# Altium PCB Discharge_B5.PcbDoc (part 1 of 2) (continued)
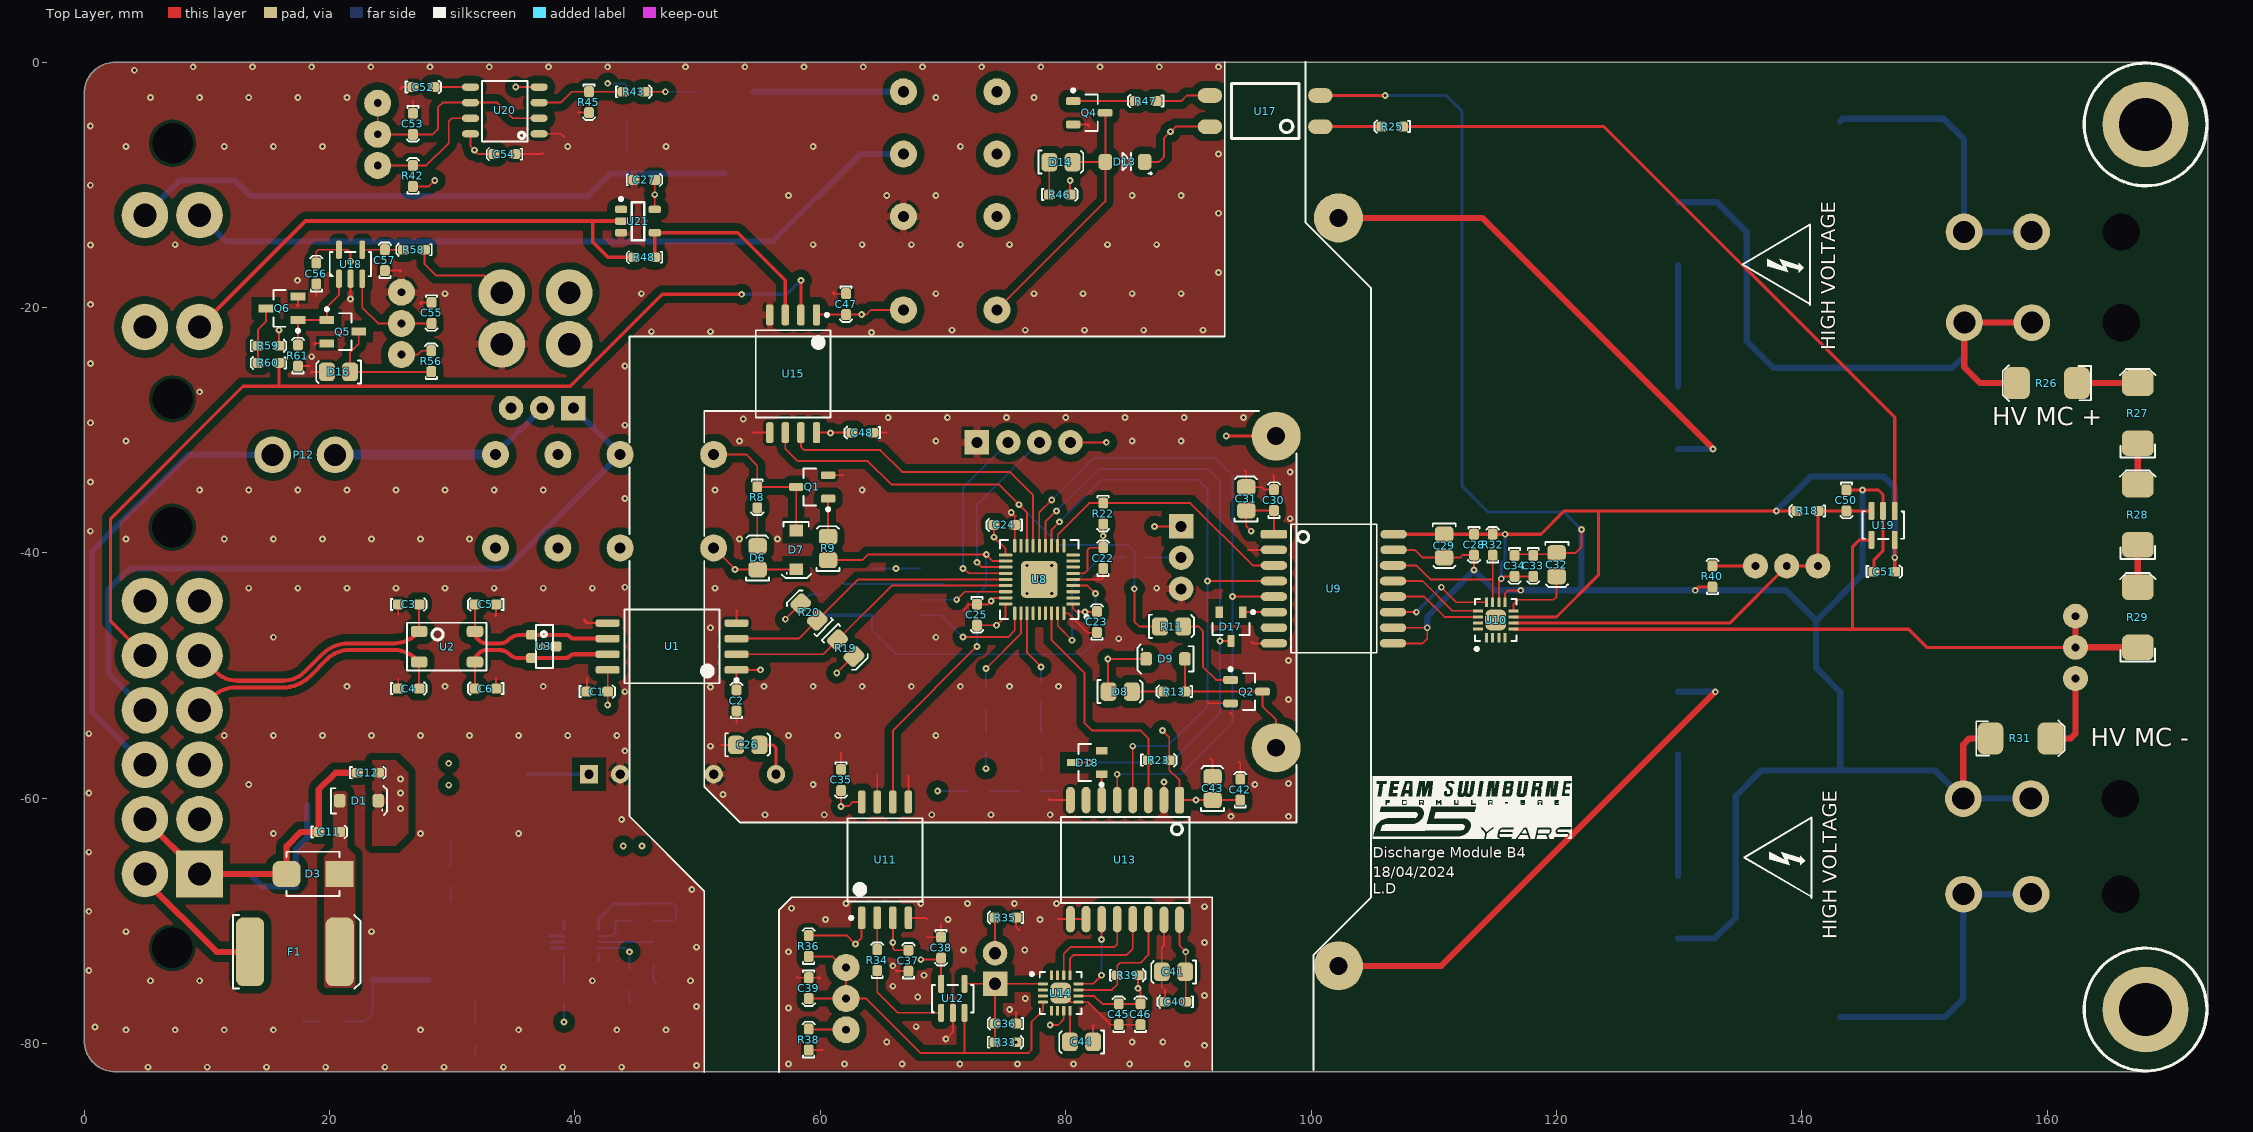
[diagram p0: Top Layer view]
## Components (designator, comment, footprint, x,y, rotation, side; value= is the part's Value field where it differs from the comment) (continued)
CS "39293046" 39293046 34.036,-18.796 r90 bottom (schematic designator P13)
D1 "PMEG100T10ELR-QX" SODFL350X110-2N#1 22.403,-60.198 r180 top
D2 "Red" "0805 LED" 31.851,-75.448 r270 bottom
D3 "SM6T39CAY" SM6T39CAY-Footprint-1 18.663,-66.167 r0 top
D4 "Red" "0805 LED" 29.845,-62.456 r270 bottom
D5 "Red" "0805 LED" 72.898,-59.436 r0 bottom
D6 "Green" "0805 LED" 54.864,-40.386 r90 top
D7 "PMEG100T10ELR-QX" SODFL350X110-2N#2 58.039,-39.751 r90 top
D8 "Green" "0805 LED" 84.455,-51.282 r0 top
D9 "PMEG100T10ELR-QX" SODFL350X110-2N#1 88.138,-48.641 r0 top
D10 "Yellow" "0805 LED" 73.533,-51.895 r90 bottom
D11 "Yellow" "0805 LED" 77.983,-55.626 r270 bottom
D12 "Red" "0805 LED" 44.17,-3.756 r270 bottom
D13 "PMEG100T10ELR-QX" "NXP SOD123W" 84.836,-8.128 r180 top
D14 "Orange" "0805 LED" 79.629,-8.128 r0 top
D16 "Green" "0805 LED" 20.72,-25.273 r180 top
D17 "BAS-21" NEXPERIA_SOT23 93.472,-46.006 r270 top
D18 "BAS-21" NEXPERIA_SOT23 81.756,-57.089 r180 top
F1 "0ZCF0100AF2A" 2920 13.528,-72.517 r0 top
K1 "V23105A5475A201" "TI 2-DIL" 42.418,-35.787 r180 bottom
K2 "V23105A5475A201" "TI 2-DIL" 70.585,-11.303 r90 bottom
L1 "12uH" 1812 28.067,-73.003 r270 bottom
L2 "4.7uH" SRN3015TA-4R7M 45.72,-67.055 r270 bottom
L3 "12uH" 1812 34.29,-58.039 r180 bottom
P1 "DTF13-12P" DTF13-12P 4.953,-55.053 r90 bottom
P2 "1.27mm" 3221-10-0300-00 66.167,-42.545 r90 bottom
P3 "39300020" 39300020 158.725,-13.843 r270 bottom
P4 "39300020" 39300020 158.687,-67.818 r270 bottom
P5 "39300020" 39300020 158.75,-21.226 r270 bottom
P6 "39300020" 39300020 158.662,-60.022 r270 bottom
P7 "2.54mm" "TH 2.54mm Header 1x3" 39.878,-28.194 r180 bottom
P9 "2.54mm" "TH 2.54mm Header 1x4" 72.771,-30.988 r0 bottom
P10 "2.54mm" "TH 2.54mm Header 1x3" 89.408,-37.846 r270 bottom
P11 "B2B-XH-A(LF)(SN)" "XH 2 PIN VERT" 74.119,-73.872 r90 bottom
P12 "39293026" 39293026 17.907,-32.004 r90 top
Q1 "SQ2308CES-T1_GE3" "VSHY SOT-23-3"#1 59.339,-34.622 r180 top
Q2 "SQ2308CES-T1_GE3" "VSHY SOT-23-3"#1 94.742,-51.308 r0 top
Q3 "STD70N10F4" "STM TO-252 MOSFET" 52.261,-9.413 r180 bottom
Q4 "SQ2308CES-T1_GE3" "VSHY SOT-23-3"#1 81.915,-4.125 r0 top
Q5 "SQ2308CES-T1_GE3" "VSHY SOT-23-3"#2 21.082,-21.966 r0 top
Q6 "SQ2308CES-T1_GE3" "VSHY SOT-23-3"#2 16.129,-20.066 r180 top
R1 "15k" TE_SMF7 143.129,-14.859 r270 bottom
R2 "15k" TE_SMF7 143.129,-67.786 r90 bottom
R3 "20K" 0603 31.877,-80.137 r90 bottom
R4 "100k" 0603 39.116,-76.708 r90 bottom value=10k
R5 "2K" 0603 29.871,-67.232 r90 bottom
R6 "10K (Var)" "B 3296"#1 162.865,-47.613 r90 bottom
R7 "1k" 0603 77.978,-59.41 r180 bottom
R8 "1k" 0603 54.864,-34.622 r270 top
R9 "100R" 0805 60.613,-39.624 r90 top
R10 "PWR263S-35-1001J" "B TO-263" 119.718,-13.974 r270 bottom value=1k
R11 "100R" 0805 88.646,-45.974 r0 top
R12 "PWR263S-35-1001J" "B TO-263" 119.718,-28.974 r270 bottom value=1k
R13 "1k" 0603 89.713,-51.308 r180 top
R14 "PWR263S-35-1001J" "B TO-263" 119.718,-53.873 r270 bottom value=1k
R15 "PWR263S-35-1001J" "B TO-263" 119.718,-68.873 r270 bottom value=1k
R16 "500R" 0603 73.507,-54.61 r270 bottom
R17 "500R" 0603 77.994,-52.197 r90 bottom
R18 "10k" 0603 141.31,-36.576 r180 top
R19 "5.1k" 0805 62.103,-47.752 r315 top
R20 "5.1k" 0805 59.055,-44.831 r135 top
R21 "10k" 0603 60.198,-45.085 r90 bottom
R22 "1.2k" 0603 83.058,-35.941 r270 top
R23 "1.2k" 0603 86.741,-56.896 r0 top
R24 "10k" 0603 86.425,-40.386 r180 bottom
R25 "1k" 0603 107.466,-5.258 r180 top
R26 "330K" "VB 0207" 160.183,-26.162 r180 top
R27 "330K" "VB 0207" 167.386,-28.812 r90 top
R28 "330K" "VB 0207" 167.386,-37.084 r90 top
R29 "330K" "VB 0207" 167.386,-45.449 r90 top
R30 "10K (Var)" "B 3296"#1 138.684,-40.513 r180 bottom
R31 "3.3K" "VB 0207" 157.624,-55.118 r0 top
R32 "1.2k" 0603 114.808,-40.181 r90 top
R33 "2K" 0603 74.246,-79.883 r0 top
R34 "1k" 0603 64.643,-74.041 r90 top
R35 "10k" 0603 75.946,-69.723 r180 top
R36 "10k" 0603 59.055,-72.898 r90 top
R37 "10K (Var)" "B 3296"#2 61.544,-76.413 r270 bottom
R38 "10k" 0603 59.055,-80.518 r90 top
R39 "1.2k" 0603 84.201,-74.422 r0 top
R40 "10k" 0603 132.715,-42.772 r90 top
R41 "1k" 0603 44.196,-9.017 r90 bottom
R42 "5.1k" 0603 26.797,-10.123 r90 top
R43 "10R" 0603 43.942,-2.413 r0 top
R44 "10K (Var)" "B 3296"#2 23.368,-5.969 r270 bottom
R45 "20K" 0603 41.148,-2.413 r270 top
R46 "1k" 0603 78.667,-10.795 r0 top
R47 "10R" 0603 87.376,-3.175 r180 top
R48 "10R" 0603 46.511,-15.9 r180 top
R56 "2K" 0603 28.296,-25.222 r90 top
R57 "10K (Var)" "B 3296"#2 26.416,-21.209 r90 bottom
R58 "10k" 0603 27.735,-15.291 r180 top
R59 "1k" 0603 14.175,-23.114 r0 top
R60 "1k" 0603 15.875,-24.511 r180 top
R61 "20K" 0603 17.429,-24.765 r90 top
U1 "ISO1042" TI-SOIC-8 47.922,-47.625 r180 top
U2 "B82787C0104H002" "TDK 4-PC Pad" 27.305,-46.395 r0 top value="100µH @ 100kHz"
U3 "NUP2105L" "ON SOT-23" 37.465,-47.625 r270 top
U4 "744272121" "Wurth 4-PC Pad" 17.275,-74.803 r90 bottom value="120uH @ 100kHz"
U5 "LM536015QDSXRQ1" TI_10_WSON 40.513,-71.711 r180 bottom
U6 "RK-053.3S/H6" RK-053.3S/H6 41.148,-58.039 r0 bottom
U7 "3350-4275-056" "CI SPST" 97.155,-43.18 r90 bottom
U8 "STM32F103T8U6" STM_QFN-36 77.851,-42.164 r180 top
U9 "ADUM5401" "AD 16-SOIC" 101.854,-44.196 r270 top
U10 "ADS7028" WFQN-16#1 115.058,-45.47 r90 top
U11 "ADuM210N" SOIC-8W 65.278,-65.024 r90 top
U12 "TS391ILT" "ON SOT-23-5" 69.23,-78.459 r0 top
U13 "ADUM5401" "AD 16-SOIC" 83.566,-65.024 r180 top
U14 "ADS7028" WFQN-16#2 79.592,-75.872 r0 top
U15 "ADuM225N" AD-SOIC-8W 57.785,-25.4 r270 top
U16 "DTF13-4P" DTF13-4P 4.953,-17.03 r90 bottom
U17 "LTV-817S-TA1" "ON 4-SMD" 96.012,-3.988 r180 top
U18 "TLV7031-Q1" "TI SOT-23-5" 20.767,-17.653 r0 top
U19 "TS391ILT" "ON SOT-23-5" 148.199,-35.601 r180 top
U20 "NE555DR" "TI 8-SOIC" 27.407,-3.302 r180 top
U21 "SN74AHC1G14" SOT23-5_TI 45.136,-12.954 r0 top

## Footprints (in the part's own frame and the unit in brackets; to place one, negate y for a bottom-side part, rotate by r counter-clockwise, add the part's x,y. Pads: shape width x height; smd on the part's side, far side on the other; paste and mask are expansions set on the pad)
0603 [mm]
  rrect50% 0.9x0.8 smd: 1(0,0) 2(1.7,0)
  silkscreen extent -0.6,-0.5 2.3,0.5, body extent 0.05,-0.42 1.65,0.43, height 0.6
0805 [mm]
  rrect50% 1.3x1.5 smd: 1(-0.962,-0.026) 2(0.938,-0.026)
  silkscreen extent -1.85,-0.95 1.8,0.93, body extent -1,-0.65 1,0.66, height 0.73
"0805 LED" [mm]
  rrect50% 1.3x1.5 smd: A(-0.962,-0.026) K(0.938,-0.026)
  silkscreen extent -1.85,-0.95 1.8,0.93, body extent -1.09,-0.63 0.91,0.63, height 1
"1206 CAP" [mm]
  rrect50% 1.8x1.8 smd: 1(-2.81,0) 2(0.44,0)
  silkscreen extent -3.99,-1.09 1.62,1.09, body extent -2.75,-0.79 0.45,0.81, height 1.61
1812 [mm]
  rrect50% 2.2x3.5 smd: 1(-1.8,0) 2(1.8,0)
  silkscreen extent -3.25,-1.75 3.25,1.75, body extent -2.25,-1.6 2.25,1.6, height 2.5
2920 [mm]
  rrect50% 2.3x5.6 smd: 1(0,0) 2(7.3,0)
  silkscreen extent -1.4,-3 9,3, body extent -0.34,-2.81 7.64,2.81, height 1.14
3221-10-0300-00 [mm]
  rrect25% 0.76x2.4 smd: 1(-2.54,-1.95) 2(-2.54,1.95) 3(-1.27,-1.95) 4(-1.27,1.95) 5(0,-1.95) 6(0,1.95) 7(1.27,-1.95) 8(1.27,1.95) 9(2.54,-1.95) 10(2.54,1.95)
  silkscreen extent -6.35,-3.6 6.35,2.55, body extent -6.34,-2.8 6.36,2.8, height 5.25
39293026 [mm]
  round 3 hole 1.8: 1(0,2.54) 2(0,-2.54)
  body extent -3,-5.9 3.2,5.1, height 12.8
39293046 [mm]
  round 3 / inner round 3 / far side round 3.8 hole 1.85: 1(0,0) 2(0,5.5) 3(-4.2,0) 4(-4.2,5.5)
  body extent -7.3,-2.1 3.1,8.9, height 3.5
39300020 [mm]
  round 3 hole 1.8: 1(0,0) 2(0,5.5)
  round 1.524 hole 3.05: ""(0,-7.3)
  body extent -2.7,-13.97 3.1,5.97, height 11.4
"AD 16-SOIC" [mil]
  rrect50% 28x85 smd: 1(-225,-192.02)
  oval 28x85 smd: 2(-175,-192.02) 3(-125,-192.02) 4(-75,-192.02) 5(-25,-192.02) 6(25,-192.02) 7(75,-192.02) 8(125,-192.02) 9(125,190) 10(75,189.96) 11(25,189.96) 12(-25,189.96) 13(-75,189.96) 14(-125,189.96) 15(-175,191.98) 16(-225,191.98)
  silkscreen extent -257,-138 155,138, body extent -256,-209 156,209, height 104
AD-SOIC-8W [mm]
  rrect50% 1.7x0.6 smd: 1(-4.8,1.905) 2(-4.8,0.635) 3(-4.8,-0.635) 4(-4.8,-1.905) 5(4.8,-1.905) 6(4.8,-0.635) 7(4.8,0.635) 8(4.8,1.905)
  silkscreen extent -4.92,-3.05 3.55,3.05, body extent -5.16,-3.05 5.16,3.05, height 2.65
"B 3296"#1 [mil]
  round 80 hole 25.2: 1(-103.39,-22) 2(-3.39,-22) 3(96.61,-22)
  silkscreen extent -193,-97 187,143, body extent -191,-97 184,143, height 455
"B 3296"#2 [mil]
  round 80 / inner round 80 / far side round 86.61 hole 25.2: 1(-103.39,-22) 2(-3.39,-22) 3(96.61,-22)
  silkscreen extent -193,-97 187,143, body extent -191,-97 184,143, height 455
"B TO-263" [mm]
  rrect50% 2x3.8 smd: 1(-2.55,-10.2) 2(2.55,-10.2)
  rrect50% 12.7x11.4 smd: ""(0,0)
  silkscreen extent -6.8,-10.56 6.75,6.1, body extent -5.19,-11.02 5.45,4.83, height 4.8
"CHEMI-CON ELCO" [mm]
  rrect50% 3.55x1.85 smd: 1(-2.65,0) 2(2.65,0)
  silkscreen extent -4.43,-3.3 3.3,3.3, body extent -3.7,-3.4 3.7,3.4, height 6.1
"CI SPST" [mm]
  round 3.5 / inner round 3.5 / far side round 4 hole 1.45: 1(30.48,5.08) 2(12.7,0) 3(-12.7,0) 4(-30.48,5.08)
  silkscreen extent -38.73,-8.26 38.73,13.97, body extent -38.1,-4.45 38.1,13.34, height 20.57
DTF13-4P [mm]
  round 3 hole 3.3 unplated: 0(-10.415,2.25) 0(10.415,2.25)
  round 3 / inner round 3 / far side round 3.8 hole 1.9: 1(-4.56,4.45) 2(-4.56,0) 3(4.56,4.45) 4(4.56,0)
  silkscreen extent -5,-4.45 5,-4.45, body extent -13.68,-25.73 13.5,7.73, height 23.65
DTF13-12P [mm]
  round 3 hole 3.3 unplated: 0(-17.145,2.22) 0(17.145,2.22)
  rect 3x3 / inner rect 3x3 / far side rect 3.8x3.8 hole 1.9: 1(-11.114,4.45)
  round 3 / inner round 3 / far side round 3.8 hole 1.9: 2(-6.664,4.45) 3(-2.214,4.45) 4(2.236,4.45) 5(6.686,4.45) 6(11.136,4.45) 7(11.136,0) 8(6.686,0) 9(2.236,0) 10(-2.214,0) 11(-6.664,0) 12(-11.114,0)
  silkscreen extent -15.56,-4.45 15.59,-4.45, body extent -20.79,-27.74 20.79,6.55, height 23.13
NEXPERIA_SOT23 [mm]
  rect 0.95x0.6 smd: 2(-1.175,-0.95) A(-1.175,0.95) K(1.175,0)
  silkscreen extent -1.3,-1.5 0.7,1.93, body extent -1.33,-1.5 1.33,1.5, height 1.1
"NXP SOD123W" [mm]
  rrect50% 1.1x1.3 smd: A(1.6,0) K(-1.6,0)
  silkscreen extent -2.2,-0.73 0.2,1.04, body extent -1.75,-0.95 1.75,0.95, height 1.1
"ON 4-SMD" [mm] "SOP, 4-Leads, Body 3.85x4.4mm, Pitch 2.54mm, IPC Medium Density"
  oval 2x1.2 smd: 1(-4.75,1.27) 2(-4.75,-1.27) 3(4.25,-1.27) 4(4.25,1.27)
  silkscreen extent -3,-2.25 2.5,2.25, body extent -5.33,-2.3 4.83,2.3, height 4.6
"ON SOT-23" [mm] "NUP2105L"
  rrect50% 0.8x0.9 smd: 1(-0.95,-1) 2(0.95,-1) 3(0,1)
  silkscreen extent -1.75,-0.65 1.75,0.75, body extent -1.5,-1.27 1.5,1.28, height 1
"ON SOT-23-5" [mil]
  rrect50% 19x58 smd: 1(24.61,38.39) 2(62.01,38.39) 3(99.41,38.39) 4(99.41,131.39) 5(24.61,131.39)
  silkscreen extent -5,39 128,128, body extent 2,27 122,145, height 57
RK-053.3S/H6 [mm]
  rect 1.303x1.303 / inner rect 1.303x1.303 / far side rect 1.5x1.5 hole 0.76: 1(0,0)
  round 1.303 / inner round 1.303 / far side round 1.5 hole 0.76: 2(2.54,0) 5(10.16,0) 7(15.24,0)
  silkscreen extent -2,-5.78 17.65,1.8, body extent -1.99,-5.79 17.65,1.26, height 10.2
SM6T39CAY-Footprint-1 [mm]
  rect 2.28x2.12 smd: A(2.165,0)
  rrect50% 2.28x2.12 smd: K(-2.165,0)
  silkscreen extent -2.16,-1.81 2.16,1.81, body extent -2.79,-1.98 2.79,1.98, height 2.64
SODFL350X110-2N#1 [mm] "SODFL, 2-Leads, Body 1.70x3.50mm, IPC Medium Density"
  rrect50% 0.95x1.1 smd: A(1.575,0) K(-1.575,0)
  silkscreen extent -2.29,-1.19 2.28,1.18, body extent -1.75,-0.95 1.75,0.95, height 1.1
SODFL350X110-2N#2 [mm] "SODFL, 2-Leads, Body 1.70x3.50mm, IPC Medium Density"
  rect 0.95x1.1 smd: A(1.575,0) K(-1.575,0)
  silkscreen extent -2.29,-1.19 2.28,1.18, body extent -1.75,-0.95 1.75,0.95, height 1.1
SOIC-8W [mm]
  rrect50% 1.85x0.6 smd: 1(-4.725,1.905) 2(-4.725,0.635) 3(-4.725,-0.635) 4(-4.725,-1.905) 5(4.725,-1.905) 6(4.725,-0.635) 7(4.725,0.635) 8(4.725,1.905)
  silkscreen extent -4.85,-3.05 3.4,3.05, body extent -5.16,-3.05 5.16,3.05, height 2.65
SOT23-5_TI [mm]
  rrect50% 1x0.6 smd: 1(-1.375,0.95) 2(-1.375,0) 3(-1.375,-0.95) 4(1.375,-0.95) 5(1.375,0.95)
  silkscreen extent -1.5,-1.55 0.5,1.92, body extent -1.5,-1.53 1.5,1.53, height 1.45
SRN3015TA-4R7M [mm]
  rrect25% 1.5x3.6 smd: 1(-1.525,0) 2(1.525,0)
  silkscreen extent -2.1,-0.05 -2,0.05, body extent -1.46,-1.47 1.61,1.47, height 1.4
"STM TO-252 MOSFET" [mm]
  rrect50% 6.7x6.7 smd: D(0.05,0.35)
  oval 1.6x3 smd: G(2.35,7) S(-2.25,7)
  silkscreen extent -3.75,-3.4 3.75,4.5, body extent -3.33,-2.67 3.39,7.75, height 2.39
STM_QFN-36 [mm]
  rrect50% 1.1x0.25 smd: 1(-2.75,2) 2(-2.75,1.5) 3(-2.75,1) 4(-2.75,0.5) 5(-2.75,0) 6(-2.75,-0.5) 7(-2.75,-1) 8(-2.75,-1.5) 9(-2.75,-2) 19(2.75,-2) 20(2.75,-1.5) 21(2.75,-1) 22(2.75,-0.5) 23(2.75,0) 24(2.75,0.5) 25(2.75,1) 26(2.75,1.5) 27(2.75,2)
  rrect50% 0.25x1.1 smd: 10(-2,-2.75) 11(-1.5,-2.75) 12(-1,-2.75) 13(-0.5,-2.75) 14(0,-2.75) 15(0.5,-2.75) 16(1,-2.75) 17(1.5,-2.75) 18(2,-2.75) 28(2,2.75) 29(1.5,2.75) 30(1,2.75) 31(0.5,2.75) 32(0,2.75) 33(-0.5,2.75) 34(-1,2.75) 35(-1.5,2.75) 36(-2,2.75)
  rrect25% 3x3 smd: 37(0,0)
  silkscreen extent -3.99,-3.21 3.21,3.21, body extent -3.08,-3.08 3.08,3.08, height 1
"TDK 4-PC Pad" [mm]
  rrect50% 1.35x0.9 smd: 1(0,-2.5) 2(0,0) 3(4.55,0) 4(4.55,-2.5)
  silkscreen extent -1,-3.2 5.5,0.7, body extent -0.02,-2.82 4.48,0.38, height 2.8
TE_SMF7 [mm]
  rect 5.6x5.2 smd: 1(-10.05,0) 2(10.05,0)
  silkscreen extent -12.25,-4.75 12.25,4.75, body extent -12.25,-4.75 12.25,4.75, height 9.9
"TH 2.54mm Header 1x3" [mm]
  rect 1.5x1.5 / inner rect 1.5x1.5 / far side rect 2x2 hole 0.9: 1(0,0)
  round 1.5 / inner round 1.5 / far side round 2 hole 0.9: 2(2.54,0) 3(5.08,0)
  silkscreen extent -1.27,-1.27 6.35,1.27, body extent -1.27,-1.27 6.35,1.27, height 9.5
"TH 2.54mm Header 1x4" [mm]
  rect 1.5x1.5 / inner rect 1.5x1.5 / far side rect 2x2 hole 0.9: 1(0,0)
  round 1.5 / inner round 1.5 / far side round 2 hole 0.9: 2(2.54,0) 3(5.08,0) 4(7.62,0)
  silkscreen extent -1.27,-1.27 8.89,1.27, body extent -1.27,-1.27 8.89,1.27, height 9.5
"TI 2-DIL" [mm]
  round 2.032 / inner round 2.032 / far side round 2.2 hole 0.9: 1(-8.89,-3.81) 4(-1.27,-3.81) 6(3.81,-3.81) 8(8.89,-3.81) 9(8.89,3.81) 11(3.81,3.81) 13(-1.27,3.81) 16(-8.89,3.81)
  silkscreen extent -10.16,-5.08 10.16,5.08, body extent -10.1,-5 10.1,5, height 11.43
"TI 8-SOIC" [mm]
  oval 1.4x0.6 smd: 1(-9.677,2.54) 2(-9.677,1.27) 3(-9.677,0) 4(-9.677,-1.27) 5(-4.089,-1.27) 6(-4.089,0) 7(-4.089,1.27) 8(-4.089,2.54)
  silkscreen extent -8.74,-1.78 -5.03,3.17, body extent -9.96,-1.87 -3.76,3.14, height 1.76
"TI SOT-23-5" [mil]
  rrect50% 19x58 smd: 1(0,0) 2(37.4,0) 3(74.8,0) 4(74.8,93) 5(0,93)
  silkscreen extent -30,8 103,86, body extent -23,-12 97,106, height 57
TI-SOIC-8 [mm]
  rrect50% 1.95x0.6 smd: 1(-5.25,1.905) 2(-5.25,0.635) 3(-5.25,-0.635) 4(-5.25,-1.905) 5(5.25,-1.905) 6(5.25,-0.635) 7(5.25,0.635) 8(5.25,1.905)
  silkscreen extent -5.38,-3 3.88,3, body extent -5.75,-3 5.75,3, height 2.8
TI_10_WSON [mm]
  rrect50% 0.85x0.25 smd: 1(-1.395,1) 2(-1.395,0.5) 3(-1.395,0) 4(-1.395,-0.5) 5(-1.395,-1) 6(1.395,-1) 7(1.395,-0.5) 8(1.395,0) 9(1.395,0.5) 10(1.395,1)
  rrect25% 1.54x2.4 smd: 11(0,0)
  silkscreen extent -2.13,-1.68 1.67,1.72, body extent -1.58,-1.53 1.58,1.53, height 0.8
"VB 0207" [mm]
  rrect50% 2.1x2.6 smd: 1(-2.25,0) 2(2.65,0)
  silkscreen extent -3.4,-1.45 3.8,1.45, body extent -2.7,-1.1 3.1,1.1, height 2.19
"VSHY SOT-23-3"#1 [mm] "SOT23, 3-Leads, Body 2.92x2.37mm, Pitch 0.95mm, IPC Low Density"
  rrect50% 1.2x0.65 smd: D(1.3,0) G(-1.3,0.95) S(-1.3,-0.95)
  silkscreen extent -1.43,-1.5 0.7,1.95, body extent -1.32,-1.52 1.32,1.52, height 1.12
"VSHY SOT-23-3"#2 [mm] "SOT23, 3-Leads, Body 2.92x2.37mm, Pitch 0.95mm, IPC Low Density"
  rect 1.2x0.65 smd: D(1.3,0) G(-1.3,0.95) S(-1.3,-0.95)
  silkscreen extent -1.42,-1.5 0.7,1.95, body extent -1.32,-1.52 1.32,1.52, height 1.12
WFQN-16#1 [mm]
  rect 0.8x0.25 smd: 1(-1.45,0.75) 2(-1.45,0.25) 3(-1.45,-0.25) 4(-1.45,-0.75) 9(1.45,-0.75) 10(1.45,-0.25) 11(1.45,0.25) 12(1.45,0.75)
  rect 0.25x0.8 smd: 5(-0.75,-1.45) 6(-0.25,-1.45) 7(0.25,-1.45) 8(0.75,-1.45) 13(0.75,1.45) 14(0.25,1.45) 15(-0.25,1.45) 16(-0.75,1.45)
  rrect50% 1.68x1.68 smd: 17(0,0)
  silkscreen extent -2.47,-1.7 1.7,1.7, body extent -1.6,-1.6 1.6,1.6, height 0.8
WFQN-16#2 [mm]
  rrect50% 0.8x0.25 smd: 1(-1.45,0.75) 2(-1.45,0.25) 3(-1.45,-0.25) 4(-1.45,-0.75) 9(1.45,-0.75) 10(1.45,-0.25) 11(1.45,0.25) 12(1.45,0.75)
  rrect50% 0.25x0.8 smd: 5(-0.75,-1.45) 6(-0.25,-1.45) 7(0.25,-1.45) 8(0.75,-1.45) 13(0.75,1.45) 14(0.25,1.45) 15(-0.25,1.45) 16(-0.75,1.45)
  rrect50% 1.68x1.68 smd: 17(0,0)
  silkscreen extent -2.47,-1.7 1.7,1.7, body extent -1.6,-1.6 1.6,1.6, height 0.8
"Wurth 4-PC Pad" [mm]
  rrect50% 2.7x2.7 smd: 1(7.62,6.22) 2(0,6.22) 3(0,0) 4(7.62,0)
  silkscreen extent -1.7,-1.8 9.4,8, body extent -1.19,-1.24 8.81,7.46, height 6.2
"XH 2 PIN VERT" [mm]
  round 1.508 / inner round 1.508 / far side round 2 hole 1: 1(1.25,0.127)
  rect 1.508x1.508 / inner rect 1.508x1.508 / far side rect 2x2 hole 1: 2(-1.25,0.127)
  silkscreen extent -3.7,-3.3 3.7,3.71, body extent -3.61,-3.24 3.61,2.6, height 7.21

## Part data
C1 C2 C10 C11 C12 C15 C18 C22 C23 C24 C25 C27 C28 C30 C33 C34 C35 C36 C37 C38 C39 C40 C42 C45 C46 C47 C48 C50 C51 C52 C54 C55 C56: library part GCM188L81H104KA57D, Digikey Part Number=490-6049-1-ND, Manufacturer=muRata, Rated Voltage=50V, Temperature Rating=X8L, Tolerance=±10%, Material=MLCC, Part Number=GCM188L81H104KA57D
C3 C4 C5 C6: library part GRM1885C1H101JA01D, Digikey Part Number=490-1427-1-ND, Manufacturer="Murata Electronics", Rated Voltage=50V, Temperature Rating="C0G, NP0", Tolerance=±5%, Material=MLCC, Part Number=GRM1885C1H101JA01D
C7 C14: library part GRM31CR71H475KA12K, Digikey Part Number=490-GRM31CR71H475KA12KTR-ND, Manufacturer="Murata Electronics", Rated Voltage=50V, Temperature Rating=X7R, Tolerance=±10%, Material=MLCC, Part Number=GRM31CR71H475KA12K
C8 C9 C19 C20 C21 C26 C29 C31 C41 C43: library part GRM21BR6YA106KE43L, Digikey Part Number=490-10514-6-ND, Manufacturer=muRata, Rated Voltage=50V, Temperature Rating=X5R, Tolerance=10%, Material=MLCC, Part Number=GRM21BR6YA106KE43L
C13: library part HHXA350ARA470MF61G, Part Number=HHXA350ARA470MF61G
C16 C32 C44: library part GCM21BR71H105KA03L, Digikey Part Number=490-10675-1-ND, Manufacturer=muRata, Rated Voltage=50V, Temperature Rating=X7R, Tolerance=±10%, Material=MLCC, Part Number=GCM21BR71H105KA03L
C17 C57: library part GCM188L81H103KA03D, Digikey Part Number=490-GCM188L81H103KA03DCT-ND, Manufacturer=muRata, Rated Voltage=50V, Temperature Rating=X8L, Tolerance=±10%, Material=MLCC, Part Number=GCM188L81H103KA03D
C53: library part GRM0335C1H220JA01D, Digikey Part Number=490-6123-1-ND, Manufacturer="Murata Electronics", Rated Voltage=50V, Temperature Rating="C0G, NP0", Tolerance=±5%, Material=MLCC, Part Number=GRM0335C1H220JA01D
CS: Digikey Part Number=WM3844-ND, Angle=0, Contact=Tin, Flange=No, Part Number=39293046, Pitch=4.2mm, Positions=4, Row Spacing=5.5mm
D1 D7 D9: library part CMP-004-00005-4, "Diode 100 V 1A Surface Mount SOD-123W"
D2 D4 D5 D12: library part SML-210LTT86, "Red LED Indication - Discrete 1.75V 0805 (2012 Metric)", Digikey Part Number=511-1286-1-ND, Manufacturer="ROHM Semiconductor", Colour=Red, Part Number=SML-210LTT86
D3: library part CMP-004-00003-4, "TVS Diode Single Bi-Dir 33.3V 600W Automotive 2-Pin SMB T/R / TVS DIODE 33.3VWM 69.7VC SMB", Breakdown Voltage=39V, Case/Package=DO-214AA, Clamping Voltage=53.9V, Leakage Current=200nA, Max Breakdown Voltage=41V, Max Operating Temperature=150°C, Max Power Dissipation=600W, Max Surge Current=11.1A, Min Breakdown Voltage=37.1V, Min Operating Temperature=-55°C, Operating Supply Voltage=30V, Package Quantity=1, Peak Pulse Current=57A, Power Line Protection=No, Resistor Type=Zener, Reverse Standoff Voltage=33.3V, Test Current=1mA, Diode Type=ZENER, Direction=Bidirectional, Element Configuration=Single, Height=2.45mm, Length=4.6mm, Max Reverse Leakage Current=200nA, Mount="Surface Mount", Number of Bidirectional Channels=1, Number of Channels=1, Number of Elements=1, Number of Pins=2, Packaging="Tape and Reel", Peak Pulse Power=600W, Polarity=Bidirectional, Radiation Hardening=No, REACH SVHC="No SVHC", Reverse Breakdown Voltage=37.1V, RoHS Compliant=Yes, Series="Automotive, AEC-Q101, SM6TY, TRANSIL™", Termination=SMD/SMT, Width=3.95mm
D6 D8 D16: library part SML-210FTT86, "Green LED Indication - Discrete 1.75V 0805 (2012 Metric)", Digikey Part Number=511-1285-1-ND, Manufacturer="ROHM Semiconductor", Colour=Green, Part Number=SML-210FTT86
D10 D11: library part SML-211YTT86, "Yellow LED Indication - Discrete 1.75V 0805 (2012 Metric)", Digikey Part Number=511-1293-1-ND, Manufacturer="ROHM Semiconductor", Colour=Yellow, Part Number=SML-211YTT86
D13: Breakdown Voltage="100 V", Digikey Part Number=1727-PMEG100T10ELR-QXCT-ND, Forward Voltage="0.75 V @ 1A", Manufacturer="Nexperia USA Inc.", Rated Power="680 mW", Part Number=PMEG100T10ELR-QX
D14: library part SML-211DTT86, "Orange LED Indication - Discrete 1.75V 0805 (2012 Metric)", Digikey Part Number=511-1291-1-ND, Manufacturer="ROHM Semiconductor", Colour=Orange, Part Number=SML-211DTT86
D17 D18: Breakdown Voltage=250V, Forward Voltage=1.0V, Manufacturer="Nexperia USA Inc.", Rated Power=250mW, Part Number=BAS-21
F1: "PTC RESET FUSE 60V 1A 292", Digikey Part Number=507-2070-1-ND, Manufacturer="Littelfuse Inc.", Digikey Link=https://www.digikey.com/product-detail/en/bel-fuse-inc/0ZCF0100AF2A/507-2070-1-ND/6210547, Part Number=0ZCF0100AF2A
K1 K2: library part CMP-036-000001-1, "5V DPDT Relay 3A 220VDC", Part Number=V23105A5475A201
L1 L3: library part RLS-126, Digikey Part Number=945-3429-ND, Manufacturer=Recom, Rated Current="0.8 A", Tolerance=0.2, Impedance=230mOhm, Material=Wirewound, Part Number=RLS-126
L2: library part SRN4018-4R7M, Digikey Part Number=SRN3015TA-4R7MCT-ND, Manufacturer=Bourns, Rated Current=1.9A, Tolerance=0.2, Impedance=84mOhms, Material=Wirewound, Part Number=SRN4018-4R7M
P1: Digikey Part Number=1734-1861-ND, Angle=90, Contact="Copper Alloy", Digikey Link=https://www.digikey.com/products/en?keywords=dtf13-12pa, Flange=No, Part Number=DTF13-12P, Pitch=4.45mm, Positions=12, Row Spacing=4.45mm
P2: library part "SMD 1.27mm Header 2x5 (3221-10-0300-00)", Angle=0, Contact=NA, Flange=No, Part Number="SMD 1.27mm Header 2x5 (3221-10-0300-00)", Pitch=1.27mm, Positions=10, Row Spacing=1.27mm
P3 P4 P5 P6: Digikey Part Number=WM21351-ND, Angle=90, Contact=Tin, Flange=No, Part Number=39300020, Pitch=4.2mm, Positions=2, Row Spacing=5.5mm
P7 P10: library part "TH 2.54mm Header 1x3", Angle=0, Contact=NA, Flange=No, Part Number="TH 2.54mm Header 1x3", Pitch=2.54mm, Positions=3, Row Spacing=2.54mm
P9: library part "TH 2.54mm Header 1x4", Angle=0, Contact=NA, Flange=No, Part Number="TH 2.54mm Header 1x4", Pitch=2.54mm, Positions=4, Row Spacing=2.54mm
P11: Digikey Part Number=455-2247-ND, Angle=0, Contact=Tin, Digikey Link=https://www.digikey.com.au/en/products/detail/jst-sales-america-inc/B2B-XH-A-LF-SN/1651045, Flange=No, Part Number=B2B-XH-A(LF)(SN), Pitch=2.54mm, Positions=2, Row Spacing=2.54mm
P12: Digikey Part Number=WM3843-ND, Angle=0, Contact=Tin, Flange=No, Part Number=39293026, Pitch=4.2mm, Positions=2, Row Spacing=5.5mm
Q1 Q2 Q4 Q5 Q6: "MOSFET N-CH 60V 2.3A SOT23", Digikey Part Number=SQ2308CES-T1_GE3CT-ND, Manufacturer="Vishay Siliconix", Rated Power=2W, LatestRevisionDate=29-May-2009, LatestRevisionNote="IPC-7351 Footprint Added.", PackageDescription="4-Pin SOT-343 Package 1.3 mm Pitch, 2.1 mm Lead Span", PackageReference=SOT-343, PackageVersion=Sep-2000, Part Number=SQ2308CES-T1_GE3, Published=24-Mar-1999, Publisher="Altium Limited", Type=N-channel
Q3: "N-Channel 100V 60A (Tc) 125W (Tc) Surface Mount DPAK", Digikey Part Number=497-8806-2-ND, Manufacturer=STMicroelectronics, Rated Power=125W, LatestRevisionDate=29-May-2009, LatestRevisionNote="IPC-7351 Footprint Added.", PackageDescription="4-Pin SOT-343 Package 1.3 mm Pitch, 2.1 mm Lead Span", PackageReference=SOT-343, PackageVersion=Sep-2000, Part Number=STD70N10F4, Published=24-Mar-1999, Publisher="Altium Limited", Type=N-channel
R1 R2: library part SMF715KJ, Manufacturer=TE, Rated Power=7W, Tolerance=0.05, Material="Metal Film", Part Number=SMF715KJ
R3 R45 R61: library part RC0603FR-0720KL, Digikey Part Number=311-20.0KHRCT-ND, Manufacturer=YAGEO, Rated Power=0.1W, Tolerance=0.01, Material=FR-07, Part Number=RC0603FR-0720KL
R4 R18 R21 R24 R35 R36 R38 R40 R58: library part RC0603FR-0710KL, Digikey Part Number=311-10.0KHRCT-ND, Manufacturer=YAGEO, Rated Power=0.1W, Tolerance=0.01, Material=FR-07, Part Number=RC0603FR-0710KL
R5 R33 R56: library part RC0603FR-072KL, Digikey Part Number=311-2.00KHRCT-ND, Manufacturer=YAGEO, Rated Power=0.1W, Tolerance=0.01, Material=FR-07, Part Number=RC0603FR-072KL
R6 R30 R37 R44 R57: library part 3296W-1-103LF, Digikey Part Number=3296W-103LF-ND, Manufacturer="Bournes Inc", Rated Power=0.5W, Tolerance=0.1, Part Number=3296W-1-103LF
R7 R8 R13 R25 R34 R41 R46 R59 R60: library part RC0603FR-071KL, Digikey Part Number=311-1.00KHRCT-ND, Manufacturer=YAGEO, Rated Power=0.1W, Tolerance=0.01, Material=FR-07, Part Number=RC0603FR-071KL
R9 R11: library part RC0805FR07100RL, Digikey Part Number=311-100CRCT-ND, Manufacturer=YAGEO, Rated Power=0.125W, Tolerance=0.01, Material=FR-07, Part Number=RC0805FR07100RL
R10 R12 R14 R15: library part CMP-037-000402-1, Digikey Part Number=PWR263S-35-1001J-ND, Manufacturer="Bournes Inc", Rated Voltage=35W, Tolerance=0.05, Part Number=PWR263S-35-1001J
R16 R17: library part RT0603BRD07500RL, Digikey Part Number=13-RT0603BRD07500RL-ND, Manufacturer=YAGEO, Rated Power=0.1W, Tolerance=0.01, Material=FR-07, Part Number=RT0603BRD07500RL
R19 R20: library part RC0805FR075K1L, Digikey Part Number=311-5.10KCRCT-ND, Manufacturer=YAGEO, Rated Power=0.125W, Tolerance=0.01, Material=FR-07, Part Number=RC0805FR075K1L
R22 R23 R32 R39: library part RC0603JR-071K2L, Digikey Part Number=311-1.2KGRCT-ND, Manufacturer=YAGEO, Rated Power=0.1W, Tolerance=0.01, Material=FR-07, Part Number=RC0603JR-071K2L
R26 R27 R28 R29: library part MMB02070C3303FB200, Digikey Part Number=MMB-330KBCT-ND, Manufacturer="Vishay Beyschlag", Rated Power=1W, Tolerance=0.01, Part Number=MMB02070C3303FB200
R31: library part MMB02070C3301FB200, Digikey Part Number=MMB-3.30KBCT-ND, Manufacturer="Vishay Beyschlag", Rated Voltage=1W, Tolerance=0.01, Part Number=MMB02070C3301FB200
R42: library part RC0603JR-075K1L, Digikey Part Number=311-5.1KGRCT-ND, Manufacturer=YAGEO, Rated Power=0.1W, Tolerance=0.01, Material=FR-07, Part Number=RC0603JR-075K1L
R43 R47 R48: library part RC0603FR-0710RL, Digikey Part Number=311-10.0HRCT-ND, Manufacturer=YAGEO, Rated Power=0.1W, Tolerance=0.01, Material=FR-07, Part Number=RC0603FR-0710RL
U1: "IC CAN TRANSCEIVER 1/1 8SOIC", Digikey Part Number=296-ISO1042BQDWVQ1-ND, Manufacturer="Texas Instruments", Part Number=ISO1042
U2: Digikey Part Number=495-4598-1-ND, Manufacturer="EPCOS (TDK)", Rated Current=150mA, Impedance="5.8 kOhms @ 10MHz", Material=Wirewound, Part Number=B82787C0104H002
U3: "Dual Line CAN Bus Protector", Digikey Part Number=NUP2105LT1GOSCT-ND, Manufacturer="ON Semiconductor", Digikey Link=https://www.digikey.com/product-detail/en/on-semiconductor/NUP2105LT1G/NUP2105LT1GOSCT-ND/1485001, Part Number=NUP2105L
U4: Digikey Part Number=732-1489-1-ND, Manufacturer="Wurth Electronics Inc", Rated Current="2.5 A", Impedance="460 Ohms @ 30MHz", Material=Wirewound, Part Number=744272121
U5: "DC DC CONVERTER 5V", Digikey Part Number=296-50359-1-ND, Input Voltage="4.5 to 36 V", Manufacturer="Texas Instruments", Output Current="1.0 A", Output Voltage=5V, Part Number=LM536015QDSXRQ1
U6: "DC DC CONVERTER 3.3V 1W", Input Voltage=5V, Manufacturer=Recom, Output Current=303mA, Output Voltage=3.3V, Part Number=RK-053.3S/H6
U7: library part CMP-035-000005-1, "RELAY REED HV SPST 200W 3A 5V (NC)", Part Number=3350-4275-056
U8: "ARM® Cortex®-M3 STM32F1 Microcontroller IC 32-Bit 72MHz 64KB (64K x 8) FLASH QFN", Manufacturer="ST Microelectronics", Digikey Link=https://www.digikey.com/en/products/detail/stmicroelectronics/stm32f103t8u6/1852493, Digikey Part Number=STM32F103T8U6, Part Number=STM32F103T8U6
U9 U13: "Quad Channel 2.5kV Digital Isolator with isoPower", Manufacturer="Analogue Devices", Part Number=ADUM5401
U10 U14: library part ADS7028IRTER, "IC ADC 12BIT SAR 16WQFN", Manufacturer="Texas Instruments", Digikey Link=https://www.digikey.com.au/en/products/detail/texas-instruments/ADS7028IRTER/12696020?s=N4IgTCBcDaIIIBEDKB2ADGAHASQEoBUBRXEAXQF8g, Digikey Part Number=ADS7028IRTER, Part Number=ADS7028IRTER
U11: library part CMP-110-000007-1, "DIGITAL ISOLATOR, SINGLE CHANNEL", Digikey Link=#https://www.analog.com/media/en/technical-documentation/data-sheets/ADuM210N.pdf#, Part Number=ADuM210N
U12 U19: library part CMP-022-000013-1, "IC COMP LO PWR SGL V SOT 23-5L", Part Number=TS391ILT
U15: "DIGITAL ISOLATOR, DUAL CHANNEL", Manufacturer="Analogue Devices", Part Number=ADuM225N
U16: Digikey Part Number=1734-1646-ND, Angle=90, Contact="Copper Alloy", Digikey Link=https://www.digikey.com.au/products/en?keywords=dtf13-4p, Flange=Yes, Part Number=DTF13-4P, Pitch=9.12mm, Positions=4, Row Spacing=4.45mm
U17: "35V 50ma Optocoupler (VF=1.2V)", Digikey Part Number=160-1893-2-ND, Manufacturer="Lite-On Inc", Digikey Link=https://www.digikey.com/product-detail/en/lite-on-inc/LTV-817S-TA1/160-1893-2-ND/388451, Part Number=LTV-817S-TA1
U18: Digikey Part Number=296-TLV7031QDBVRQ1CT-ND, Input Voltage="1.6 to 6.5 V", Manufacturer="Texas Instruments", Channels=1, Output=Push-Pull, Part Number=TLV7031-Q1
U20: library part CMP-022-000003-1, "IC OSC SGL TIMER 100KHZ 8-SOIC", Part Number=NE555DR
U21: "IC INVERTER 1CH 1-INP SOT23-5", Manufacturer="Texas Instruments", Complex IC=1, Part Number=SN74AHC1G14

## Free pads (board coordinates)
  round 7 hole 4.3 unplated: 1(168.021,-77.216) 2(168.021,-5.08)

## Via types
v1: diameter 0.55, hole 0.25, Top Layer to Bottom Layer, 339 vias

## Nets (pads, with @x,y where several pads share a name; then routed paths per layer and width w, separated by ;. In a path a pad name is that pad's centre, name@x,y a point inside that pad or via, vN(x,y) a via of type N, cw(c..) or ccw(c..) an arc to the next point about the centre after c; other vN are vias at no path point)
0V: C1.1 C3.1 C4.1 C5.1 C6.1 C7.1 C8.1 C9.1 C10.1 C14.1 C15.1 C16.1 C17.1 C19.1 C20.1 C21.1 C27.1 C47.1 C52.1 C53.1 C54.1 C55.1 C56.1 C57.1 CS.3 D16.K K2.4 Q4.S Q5.S Q6.S R3.1 R5.1 R45.2 R57.3 R61.1 U1.5 U3.3 U4.3 U5.5 U5.10 U5.11 U6.2 U15.4 U18.2 U20.1 U21.3 | length 33.8
  Top Layer w0.152: R61.1@17.429,-24.765 18.415,-24.765 ; 17.429,-19.782 Q6.S@17.429,-19.116 ; 18.568,-25.247 D16.K@19.782,-25.247 ; 18.867,-22.916 Q5.S@19.782,-22.916 ; 18.923,-19.05 C56.1@18.923,-18.083 ; v1(21.717,-19.304) U18.2@21.717,-17.653 ; C57.1@24.511,-16.991 25.754,-16.991 ; C4.1@25.605,-51.054 25.605,-50.214 ; 25.605,-45.036 C3.1@25.605,-44.196 ; 25.908,-2.032 C52.1@26.797,-2.032 ; C53.1@26.797,-4.183 26.797,-3.175 ; 27.522,-19.595 C55.1@28.321,-19.595 ; C6.1@33.577,-51.054 33.577,-50.214 ; 33.577,-45.036 C5.1@33.577,-44.196 ; C54.1@35.101,-7.493 37.338,-7.493 37.465,-7.366 ; U20.1@37.084,-5.842 38.862,-5.842 39.116,-6.096 ; v1(37.338,-47.625) U3.3@38.465,-47.625 ; 40.259,-4.064 40.308,-4.113 R45.2@41.148,-4.113 ; C1.1@40.972,-51.308 40.972,-50.181 ; 41.021,-45.72 U1.5@42.672,-45.72 ; 61.165,-18.874 C47.1@62.103,-18.874 ; Q4.S@80.615,-5.075 81.783,-5.075
  Top Layer w0.254: 17.399,-19.812 17.429,-19.782 ; 18.542,-25.273 18.568,-25.247 ; 18.796,-22.987 18.867,-22.916 ; C56.1@18.923,-18.083 C56.1@19.123,-18.283 ; 25.754,-16.991 25.781,-17.018 ; 25.781,-2.159 25.908,-2.032 ; 27.432,-19.685 27.522,-19.595 ; 33.528,-45.085 33.577,-45.036 ; 40.767,-45.466 41.021,-45.72 ; 61.087,-18.796 61.165,-18.874 ; 81.783,-5.075 81.915,-5.207
  Bottom Layer w0.152: 17.933,-78.206 C8.1@19.231,-78.206 ; 29.871,-68.3 R5.1@29.871,-67.232 ; 31.877,-81.026 R3.1@31.877,-80.137 ; 44.45,-76.708 C17.1@44.45,-75.692 ; 46.404,-74.852 C16.1@46.404,-73.611
  Bottom Layer w0.254: 17.907,-78.232 17.933,-78.206 ; 29.845,-68.326 29.871,-68.3 ; 39.116,-70.104 39.118,-70.106 U5.10@39.118,-70.711 ; U5.5@41.908,-72.711 41.908,-73.277 41.91,-73.279 ; 46.404,-74.852 46.609,-75.057
  other v1: 5.207,-81.915 10.033,-81.915 14.859,-81.915 19.685,-81.915 24.511,-81.915 29.337,-81.915 34.163,-81.915 38.989,-81.915 43.815,-81.915 49.911,-81.788 3.418,-78.874 7.418,-78.874 11.418,-78.874 15.418,-78.874 27.418,-78.874 35.418,-78.874 43.418,-78.874 47.418,-78.874 0.889,-78.638 49.911,-76.962 5.418,-74.874 9.418,-74.874 41.418,-74.874 49.418,-74.874 0.381,-74.041 49.911,-72.136 3.418,-70.874 23.418,-70.874 0.381,-69.215 49.53,-67.437 0.381,-64.389 15.418,-62.874 27.418,-62.874 35.418,-62.874 43.815,-61.722 0.381,-59.563 13.418,-58.874 44.069,-56.134 11.418,-54.874 15.418,-54.874 19.418,-54.874 23.418,-54.874 27.418,-54.874 31.418,-54.874 35.418,-54.874 39.418,-54.874 43.418,-54.874 0.381,-54.737 44.069,-51.308 21.418,-50.874 29.418,-50.874 37.418,-50.874 15.418,-46.874 13.418,-42.874 17.418,-42.874 21.418,-42.874 25.418,-42.874 29.418,-42.874 33.418,-42.874 37.418,-42.874 41.418,-42.874 44.07,-42.799 3.418,-38.874 11.418,-38.874 15.418,-38.874 19.418,-38.874 23.418,-38.874 27.418,-38.874 31.418,-38.874 0.508,-38.227 44.069,-35.56 9.418,-34.874 13.418,-34.874 17.418,-34.874 21.418,-34.874 25.418,-34.874 29.418,-34.874 33.418,-34.874 37.418,-34.874 0.511,-34.216 3.418,-30.874 44.069,-29.591 0.511,-29.39 9.418,-26.874 44.069,-24.765 0.511,-24.564 18.542,-24.003 64.17,-22.031 46.228,-21.971 51.054,-21.971 70.739,-21.844 76.708,-21.844 81.534,-21.844 86.36,-21.844 91.186,-21.844 0.511,-19.738 29.418,-18.874 45.418,-18.874 69.418,-18.874 77.418,-18.874 81.418,-18.874 85.418,-18.874 89.418,-18.874 17.399,-17.78 92.456,-17.145 0.526,-14.912 7.418,-14.874 59.418,-14.874 63.418,-14.874 67.418,-14.874 71.418,-14.874 75.418,-14.874 83.418,-14.874 87.418,-14.874 92.456,-12.319 57.418,-10.874 65.418,-10.874 69.418,-10.874 85.418,-10.874 89.418,-10.874 0.508,-10.033 92.456,-7.493 3.418,-6.874 11.418,-6.874 15.418,-6.874 19.418,-6.874 39.418,-6.874 47.418,-6.874 59.418,-6.874 71.418,-6.874 0.508,-5.207 5.418,-2.874 9.418,-2.874 13.418,-2.874 17.418,-2.874 21.418,-2.874 69.418,-2.874 77.418,-2.874 4.089,-0.66 8.89,-0.381 13.716,-0.381 18.542,-0.381 23.368,-0.381 28.194,-0.381 33.02,-0.381 37.846,-0.381 42.672,-0.381 49.022,-0.381 53.848,-0.381 58.674,-0.381 63.5,-0.381 68.326,-0.381 73.152,-0.381 77.978,-0.381 82.804,-0.381 87.63,-0.381 92.456,-0.381
0V_(ISO): C2.1 C22.1 C23.1 C24.1 C25.1 C26.1 C30.2 C31.2 C35.1 C42.2 C43.2 C48.1 D11.K P2.5 P2.6 P9.1 P10.3 Q1.S Q2.S R7.1 U1.4 U6.5 U8.5 U8.18 U8.26 U8.36 U8.37 U9.2 U9.8 U11.5 U11.7 U13.2 U13.8 U15.5 | length 54.2
  Top Layer w0.152: 51.943,-55.626 51.969,-55.652 C26.1@53.14,-55.652 ; C2.1@53.172,-52.881 53.172,-53.807 53.213,-53.848 ; U1.4@53.172,-45.72 53.172,-44.745 53.213,-44.704 ; 54.483,-30.226 54.509,-30.2 U15.5@55.88,-30.2 ; Q1.S@60.639,-33.672 61.832,-33.672 61.849,-33.655 ; C35.1@61.696,-57.658 61.696,-56.287 61.722,-56.261 ; C48.1@64.282,-30.2 65.379,-30.2 65.405,-30.226 ; U11.7@64.643,-60.299 64.643,-58.039 ; U11.5@67.183,-60.299 67.183,-58.166 ; 71.755,-44.704 71.755,-44.577 72.136,-44.196 C25.1@72.771,-44.196 73.66,-44.196 74.192,-43.664 U8.26@75.101,-43.664 ; v1(75.565,-36.699) 75.589,-36.699 75.851,-36.961 U8.18@75.851,-39.414 ; 78.613,-60.071 78.689,-60.147 U13.8@80.391,-60.147 ; U8.36@79.851,-44.914 80.22,-44.914 81.812,-46.506 C23.1@82.271,-46.506 ; U8.5@80.601,-42.164 82.931,-42.164 83.058,-42.037 C22.1@83.058,-41.275 ; U13.2@88.011,-60.147 v1(88.011,-58.674) ; 91.567,-52.197 91.628,-52.258 Q2.S@93.442,-52.258 ; 91.821,-56.769 91.974,-56.922 C43.2@91.974,-58.247 ; 93.442,-53.056 93.599,-53.213 ; 94.107,-57.023 94.234,-57.15 C42.2@94.234,-58.447 ; 94.615,-33.274 94.717,-33.376 C31.2@94.717,-34.646 95.987,-34.646 96.187,-34.846 C30.2@96.977,-34.846 96.977,-33.731 96.901,-33.655 ; 94.869,-39.751 U9.2@96.977,-39.751 ; 95.123,-47.244 95.25,-47.371 U9.8@96.977,-47.371
  Bottom Layer w0.152: 61.849,-42.418 61.976,-42.545 P2.5@64.217,-42.545 P2.6@68.117,-42.545 70.104,-42.545 ; R7.1@77.978,-59.41 79.349,-59.41 79.375,-59.436 ; D11.K@78.01,-56.564 78.01,-57.69 78.105,-57.785
  other v1: 93.472,-61.468 98.171,-61.468 55.499,-61.341 60.325,-61.341 69.088,-61.341 73.914,-61.341 78.74,-61.341 52.07,-59.69 59.418,-58.874 95.418,-58.874 98.171,-58.801 51.054,-55.753 57.418,-54.874 61.418,-54.874 69.418,-54.874 98.171,-51.943 51.054,-50.927 55.418,-50.874 59.418,-50.874 63.418,-50.874 67.418,-50.874 71.418,-50.874 75.418,-50.874 79.418,-50.874 98.171,-48.768 84.328,-46.99 69.418,-46.874 51.054,-46.101 73.926,-43.93 76.835,-43.307 78.867,-43.307 51.418,-42.874 87.418,-42.874 77.851,-42.164 76.835,-41.021 78.867,-41.021 53.418,-38.874 56.515,-38.862 98.298,-37.211 51.418,-34.874 63.418,-34.874 98.298,-33.401 53.418,-30.874 69.418,-30.874 85.418,-30.874 89.418,-30.874 53.721,-29.083 65.532,-28.956 70.358,-28.956 75.184,-28.956 80.01,-28.956 84.836,-28.956 89.662,-28.956 94.488,-28.956
3V3: C2.2 C22.2 C23.2 C24.2 C25.2 C26.2 C30.1 C31.1 C35.2 C42.1 C43.1 C48.2 D5.A D6.A D7.K D8.A D9.K K1.1 P2.7 P2.8 P9.4 P10.1 R16.2 R19.2 R20.2 R21.2 R22.2 R23.2 U1.1 U6.7 U7.2 U8.1 U8.6 U8.19 U8.27 U9.1 U11.8 U13.1 U15.8 | length 82.9
  Top Layer w0.152: K1.1@51.308,-39.597 v1(53.059,-41.348) D6.A@54.89,-41.348 58.017,-41.348 D7.K@58.039,-41.326 ; C2.2@53.172,-51.181 U1.1@53.172,-49.53 v1(55.118,-49.53) ; v1(57.15,-45.41) R20.2@58.41,-44.149 ; U15.8@59.69,-30.2 C48.2@62.582,-30.2 ; v1(61.341,-49.784) 62.691,-48.434 R19.2@62.748,-48.434 ; C35.2@61.696,-59.358 v1(61.696,-60.68) 61.743,-60.633 62.303,-60.633 62.637,-60.299 U11.8@63.373,-60.299 ; C25.2@72.771,-45.896 v1(74.373,-45.896) 75.101,-45.168 U8.27@75.101,-44.164 ; C24.2@74.151,-37.719 v1(74.151,-38.718) 75.101,-39.668 U8.19@75.101,-40.164 ; P9.4@80.391,-30.988 v1(83.312,-30.988) ; U8.6@80.601,-41.664 81.526,-41.664 81.788,-41.402 81.788,-39.751 81.964,-39.575 C22.2@83.058,-39.575 v1(83.058,-38.608) R22.2@83.058,-37.641 ; U8.1@80.603,-44.166 U8.1@80.601,-44.164 80.601,-44.533 80.874,-44.806 v1(81.572,-44.806) C23.2@82.271,-44.806 ; D8.A@83.493,-51.308 83.439,-51.254 v1(83.439,-48.641) D9.K@86.563,-48.641 ; v1(87.249,-37.846) P10.1@89.408,-37.846 ; v1(87.884,-54.483) 88.441,-55.04 R23.2@88.441,-56.896 88.441,-57.707 89.281,-58.547 U13.1@89.281,-60.147 v1(90.628,-60.147) C43.1@91.974,-60.147 C42.1@94.234,-60.147 ; v1(95.123,-38.227) 94.717,-37.821 C31.1@94.717,-36.546 C30.1@96.977,-36.546 U9.1@96.977,-38.481
  Top Layer w0.254: C26.2@55.04,-55.652 56.16,-55.652 56.388,-55.88 U6.7@56.388,-58.039 ; v1(93.091,-30.48) U7.2@97.155,-30.48
  Bottom Layer w0.152: v1(57.15,-45.41) 59.175,-43.385 R21.2@60.198,-43.385 ; P2.7@64.217,-41.275 v1(66.167,-41.275) P2.8@68.117,-41.275 ; v1(69.57,-59.41) D5.A@71.936,-59.41 ; v1(73.507,-57.585) R16.2@73.507,-56.31
  other v1: 60.833,-30.226
5kW: P1.8 R60.1 U15.2 | length 81.4
  Top Layer w0.254: P1.8@4.953,-48.367 2.159,-45.573 2.159,-37.211 12.954,-26.416 15.875,-26.416 ; R60.1@15.865,-24.511 R60.1@15.875,-24.511 15.875,-26.416 ; v1(53.594,-18.923) 47.117,-18.923 39.624,-26.416 15.875,-26.416 ; U15.2@58.42,-20.6 v1(58.42,-17.78)
  Bottom Layer w0.254: v1(53.594,-18.923) 57.277,-18.923 v1(58.42,-17.78)